# KiCad board for_real_486_rc13.kicad_pcb (continued)
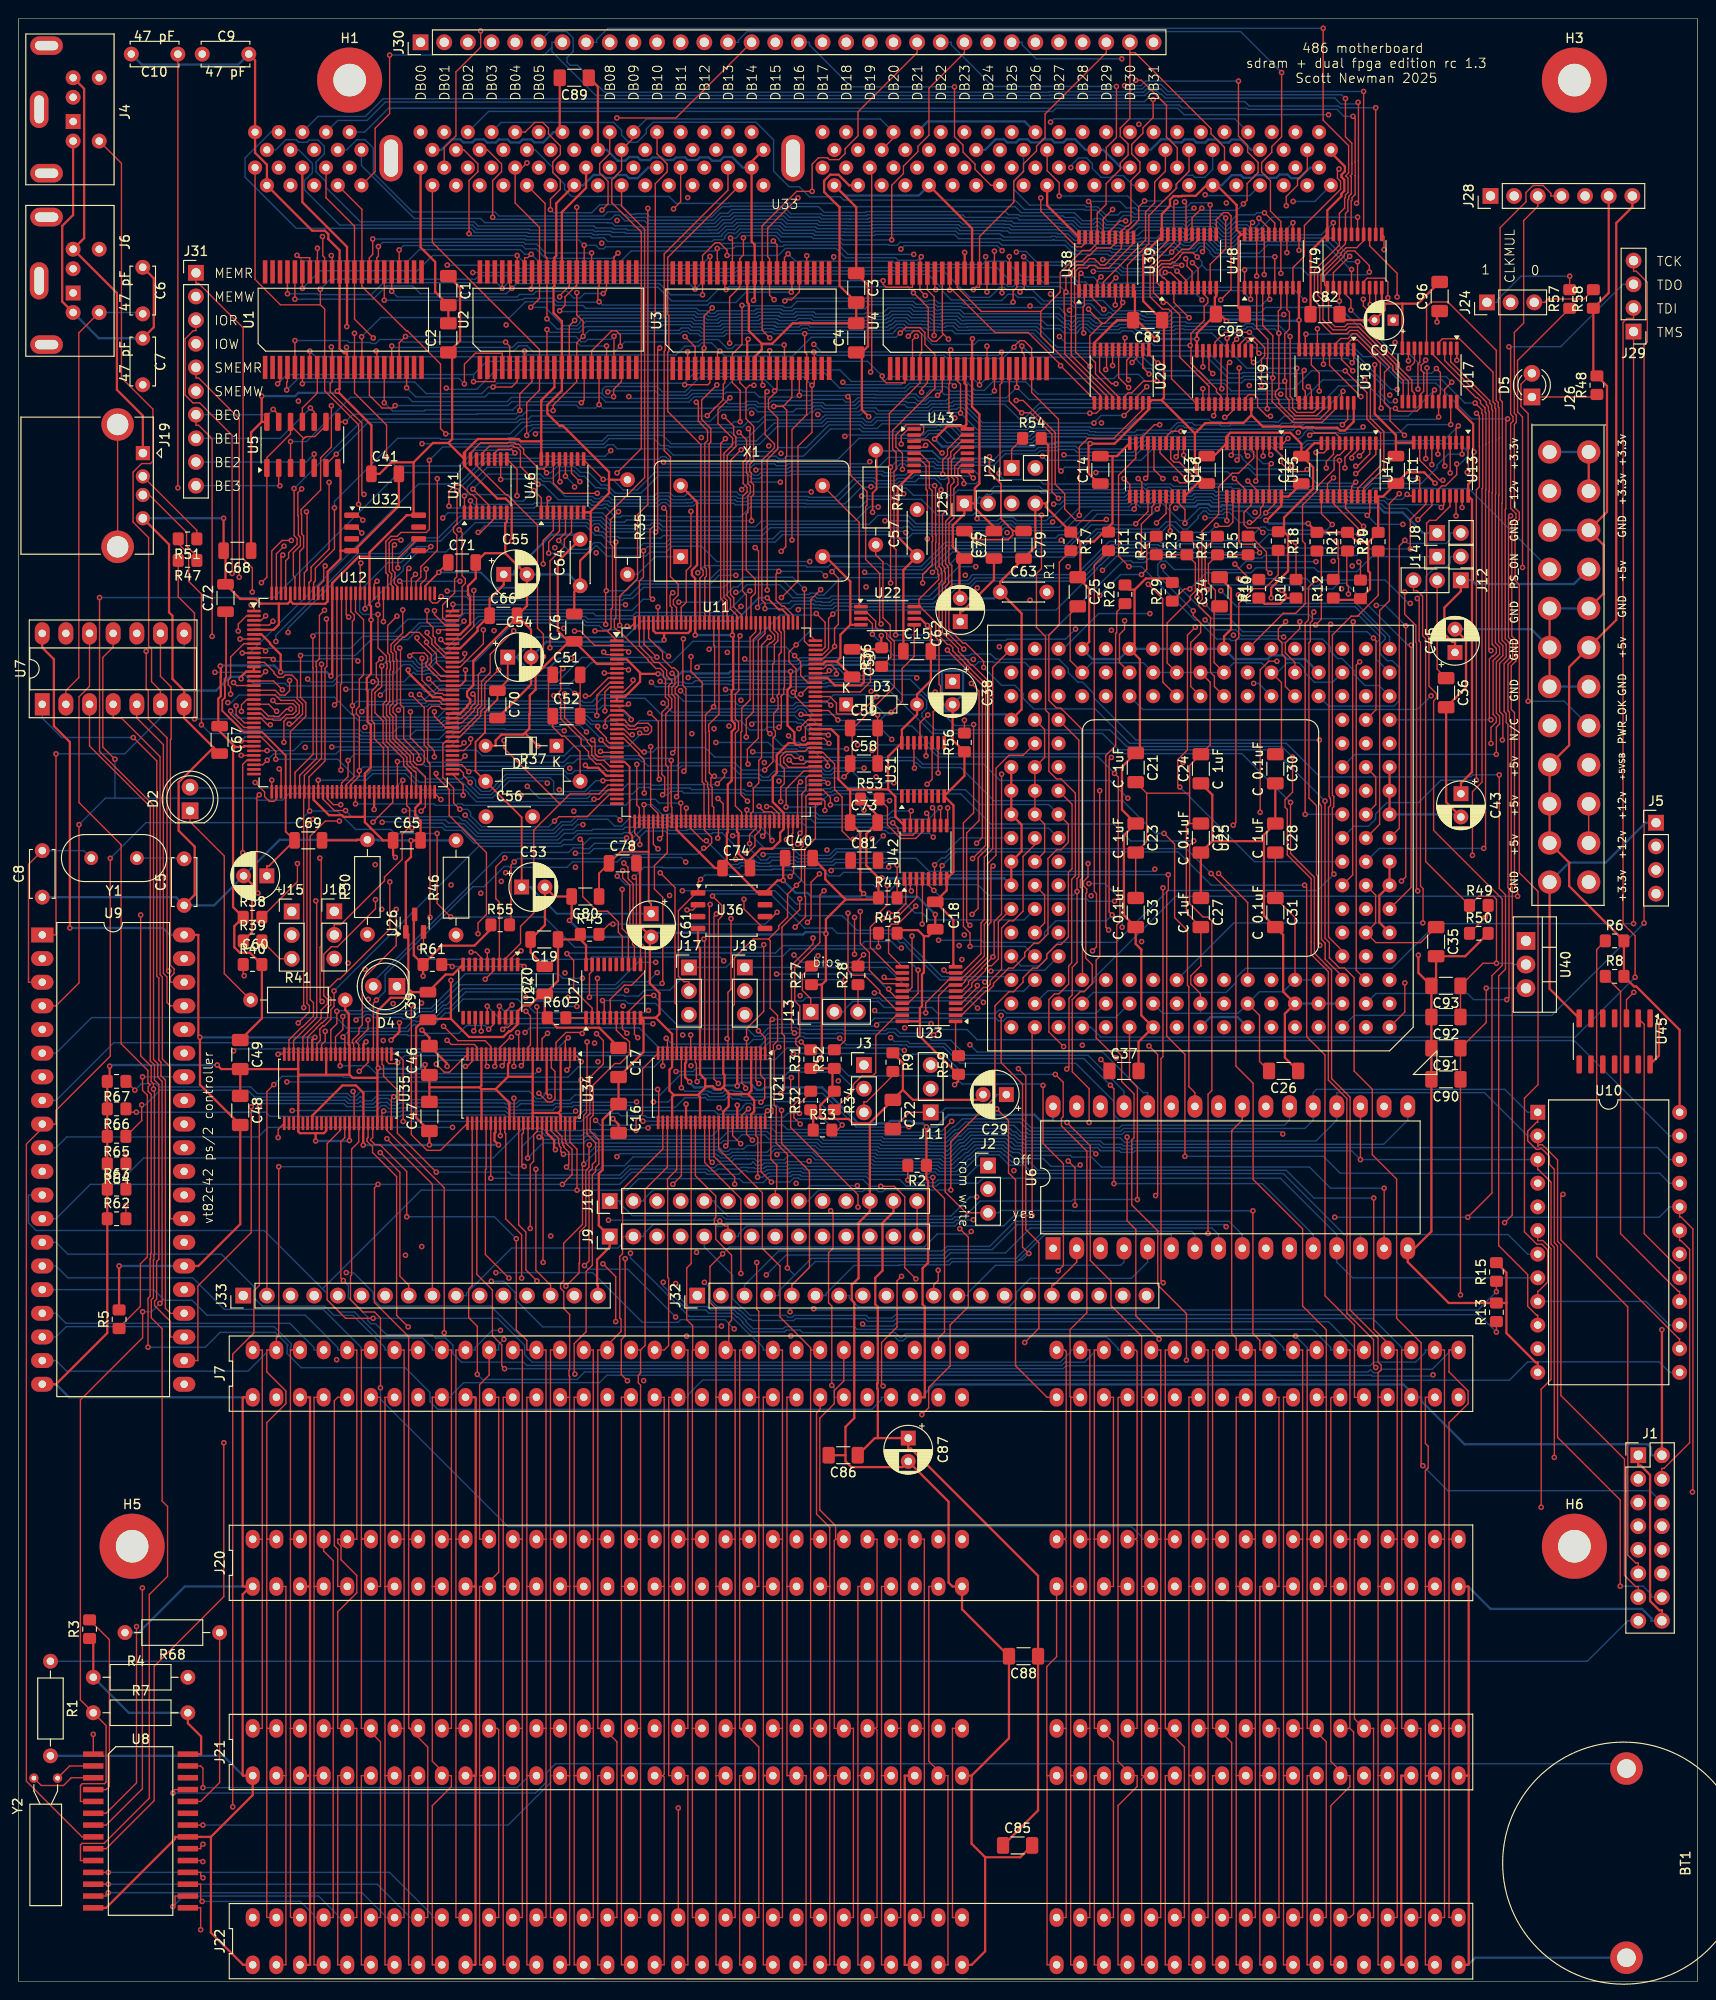
[diagram p0: board, top side]
## Library data of the parts
C1-C28 C30-C37 C39-C41 C46-C52 C56-C59 C63-C83 C85 C86 C88-C93 C95 C96 = -: ki_fp_filters: C_*
C29 C38 C43 C45 C53-C55 C60-C62 C87 C97 = -: ki_fp_filters: CP_*
D1 D3 = -: Sim.Pins: 1=K 2=A; ki_fp_filters: TO-???* *_Diode_* *SingleDiode* D_*
D2 D4 D5 = -: ki_fp_filters: LED* LED_SMD:* LED_THT:*
H1 H3 H5 H6 = -: ki_fp_filters: MountingHole*
J1 = -: ki_fp_filters: Connector*:*_2x??_*
J2 J3 J5 J8-J18 J24 J25 J27 J29 = -: ki_fp_filters: Connector*:*_1x??_*
J4 J6 = -: Datasheet: http://service.powerdynamics.com/ec/Catalog17/Section%2011.pdf; ki_fp_filters: MINI?DIN*
J7 J20-J22 = -: Datasheet: https://en.wikipedia.org/wiki/Industry_Standard_Architecture; Description: 16-bit ISA-AT bus connector
J19 = -: ki_fp_filters: USB*
J26 = -: Datasheet: https://www.intel.com/content/dam/www/public/us/en/documents/guides/power-supply-design-guide-june.pdf#page=33; ki_fp_filters: *Mini?Fit*2x12*Vertical* *Mini?Fit*2x12*Horizontal*
J28 = -: Description: Generic connector, single row, 01x07, script generated (kicad-library-utils/schlib/autogen/connector/); ki_fp_filters: Connector*:*_1x??_*
J30 = -: Description: Generic connector, single row, 01x32, script generated (kicad-library-utils/schlib/autogen/connector/); ki_fp_filters: Connector*:*_1x??_*
J31 = -: Description: Generic connector, single row, 01x10, script generated (kicad-library-utils/schlib/autogen/connector/); ki_fp_filters: Connector*:*_1x??_*
J32 = -: Description: Generic connector, single row, 01x20, script generated (kicad-library-utils/schlib/autogen/connector/); ki_fp_filters: Connector*:*_1x??_*
J33 = -: Description: Generic connector, single row, 01x16, script generated (kicad-library-utils/schlib/autogen/connector/); ki_fp_filters: Connector*:*_1x??_*
R1-R48 R51-R68 = -: ki_fp_filters: R_*
R49 R50 = -: Description: Resistor; ki_fp_filters: R_*
U5 = -: Datasheet: http://www.ti.com/lit/gpn/sn74LS32; Description: Quad 2-input OR; ki_fp_filters: DIP?14*
U7 = -: Datasheet: http://www.ti.com/lit/gpn/sn74LS04; ki_fp_filters: DIP*W7.62mm* SSOP?14* TSSOP?14*
U8 = -: Datasheet: https://www.mouser.com/ProductDetail/Analog-Devices-Maxim-Integrated/DS1501YZN%2b?qs=1eQvB6Dk1vgqqTmHhPWzLA%3D%3D
U9 = -: Datasheet: https://www.digchip.com/datasheets/download_datasheet.php?id=2608363&part-number=P8042AH
U10 = -: Datasheet: http://www.scs.stanford.edu/10wi-cs140/pintos/specs/8254.pdf; ki_fp_filters: DIP*W15.24mm*
U11 U12 = -: Datasheet: http://www.latticesemi.com/Products/FPGAandCPLD/iCE40; Description: iCE40 HX FPGA, 3520 LUTs, 1.2V, TQFP-144; ki_fp_filters: TQFP*20x20mm*P0.5mm*
U13-U20 U23 U24 U27 = -: Datasheet: http://www.ti.com/lit/gpn/sn74LS245; ki_fp_filters: DIP?20*
U21 U34 U35 = -: Datasheet: https://assets.nexperia.com/documents/data-sheet/74ALVC164245.pdf; Description: 16-Bit 2.5V to 3.3V or 3.3V to 5V Level-Shifting Transceiver With 3-State Outputs, TSSOP-48; ki_fp_filters: TSSOP*6.1x12.5mm*P0.5mm*
U26 = -: Datasheet: http://www.ti.com/lit/ds/symlink/lm809.pdf; ki_fp_filters: SOT?23*
U31 U42 = -: Datasheet: http://www.ti.com/lit/gpn/sn74ls595; Description: 8-bit serial in/out Shift Register 3-State Outputs; ki_fp_filters: DIP*W7.62mm* SOIC*3.9x9.9mm*P1.27mm* TSSOP*4.4x5mm*P0.65mm* SOIC*5.3x10.2mm*P1.27mm* SOIC*7.5x10.3mm*P1.27mm*
U38 U39 U48 U49 = -: Datasheet: http://www.ti.com/lit/gpn/sn74LS373; ki_fp_filters: DIP?20* SOIC?20* SO?20* SSOP?20* TSSOP?20*
U40 = -: Datasheet: http://www.ti.com/lit/ds/symlink/lm317.pdf; Description: 1.5A 35V Adjustable Linear Regulator, TO-220; ki_fp_filters: TO?220*
U41 U43 U46 = -: Datasheet: https://www.ti.com/lit/ds/symlink/sn74ls165a.pdf; Description: Shift Register 8-bit, parallel load; ki_fp_filters: DIP?16* SO*16*3.9x9.9mm*P1.27mm* SSOP*16*5.3x6.2mm*P0.65mm* TSSOP*16*4.4x5mm*P0.65*
U45 = -: Datasheet: http://www.ti.com/lit/gpn/sn74LS08; Description: Quad And2; ki_fp_filters: DIP*W7.62mm*
X1 = -: Datasheet: http://www.conwin.com/datasheets/cx/cx030.pdf; ki_fp_filters: Oscillator*DIP*14*
Y1 Y2 = -: ki_fp_filters: Crystal*

## Footprints (pads in the part's own frame, mm; a bottom-side part is the same pattern mirrored in y, then rotated)
24pinATX_newer
  round 2.5 hole 1.5: 1(11.4,-1) 2(7.2,-1) 3(3,-1) 4(-1.2,-1) 5(-5.4,-1) 6(-9.6,-1) 7(-13.8,-1) 8(-18,-1) 9(-22.2,-1) 10(-26.4,-1) 11(-30.6,-1) 12(-34.8,-1) 13(11.4,3.2) 14(7.2,3.2) 15(3,3.2) 16(-1.2,3.2) 17(-5.4,3.2) 18(-9.6,3.2) 19(-13.8,3.2) 20(-18,3.2) 21(-22.2,3.2) 22(-26.4,3.2) 23(-30.6,3.2) 24(-34.8,3.2)
C_1206_3216Metric
  rrect 1.15x1.8 smd: 1(-1.475,0) 2(1.475,0)
C_1206_3216Metric_Pad1.33x1.80mm_HandSolder
  rrect 1.325x1.8 smd: 1(-1.562,0) 2(1.562,0)
C_Disc_D4.3mm_W1.9mm_P5.00mm
  round 1.6 hole 0.8: 1(0,0) 2(5,0)
C_Disc_D5.0mm_W2.5mm_P5.00mm
  round 1.6 hole 0.8: 1(0,0) 2(5,0)
connector_mini6din
  rect 1.6x1.6 hole 0.8: 1(0,0)
  round 1.6 hole 0.8: 2(-2.6,0) 3(2.1,0) 4(-4.7,0) 5(2.1,2.8) 6(-4.7,2.8)
  oval 2x3.5 hole 1x2.5: 7(-8.15,-2.85) 7(5.55,-2.85)
  oval 4x2 hole 3x1: 7(-1.3,-3.65)
CP_Radial_D4.0mm_P2.00mm
  rect 1.2x1.2 hole 0.6: 1(0,0)
  round 1.2 hole 0.6: 2(2,0)
CP_Radial_D5.0mm_P2.50mm
  rect 1.6x1.6 hole 0.8: 1(0,0)
  round 1.6 hole 0.8: 2(2.5,0)
cr2032_holder
  round 3.5 hole 2: 1(-10.16,0) 2(10.16,0)
Crystal_AT310_D3.0mm_L10.0mm_Horizontal
  round 1 hole 0.5: 1(0,0) 2(2.54,0)
Crystal_HC18-U_Vertical
  round 1.5 hole 0.8: 1(0,0) 2(4.9,0)
D_DO-34_SOD68_P7.62mm_Horizontal
  rect 1.5x1.5 hole 0.75: 1(0,0)
  oval 1.5x1.5 hole 0.75: 2(7.62,0)
DIP-14_W7.62mm_Socket_LongPads
  rect 2.4x1.6 hole 0.8: 1(0,0)
  oval 2.4x1.6 hole 0.8: 2(0,-2.54) 3(0,-5.08) 4(0,-7.62) 5(0,-10.16) 6(0,-12.7) 7(0,-15.24) 8(7.62,-15.24) 9(7.62,-12.7) 10(7.62,-10.16) 11(7.62,-7.62) 12(7.62,-5.08) 13(7.62,-2.54) 14(7.62,0)
DIP-24_W15.24mm
  rect 1.6x1.6 hole 0.8: 1(0,0)
  oval 1.6x1.6 hole 0.8: 2(0,-2.54) 3(0,-5.08) 4(0,-7.62) 5(0,-10.16) 6(0,-12.7) 7(0,-15.24) 8(0,-17.78) 9(0,-20.32) 10(0,-22.86) 11(0,-25.4) 12(0,-27.94) 13(15.24,-27.94) 14(15.24,-25.4) 15(15.24,-22.86) 16(15.24,-20.32) 17(15.24,-17.78) 18(15.24,-15.24) 19(15.24,-12.7) 20(15.24,-10.16) 21(15.24,-7.62) 22(15.24,-5.08) 23(15.24,-2.54) 24(15.24,0)
DIP-32_W15.24mm_LongPads
  rect 2.4x1.6 hole 0.8: 1(0,0)
  oval 2.4x1.6 hole 0.8: 2(0,-2.54) 3(0,-5.08) 4(0,-7.62) 5(0,-10.16) 6(0,-12.7) 7(0,-15.24) 8(0,-17.78) 9(0,-20.32) 10(0,-22.86) 11(0,-25.4) 12(0,-27.94) 13(0,-30.48) 14(0,-33.02) 15(0,-35.56) 16(0,-38.1) 17(15.24,-38.1) 18(15.24,-35.56) 19(15.24,-33.02) 20(15.24,-30.48) 21(15.24,-27.94) 22(15.24,-25.4) 23(15.24,-22.86) 24(15.24,-20.32) 25(15.24,-17.78) 26(15.24,-15.24) 27(15.24,-12.7) 28(15.24,-10.16) 29(15.24,-7.62) 30(15.24,-5.08) 31(15.24,-2.54) 32(15.24,0)
DIP-40_W15.24mm_LongPads
  rect 2.4x1.6 hole 0.8: 1(0,0)
  oval 2.4x1.6 hole 0.8: 2(0,-2.54) 3(0,-5.08) 4(0,-7.62) 5(0,-10.16) 6(0,-12.7) 7(0,-15.24) 8(0,-17.78) 9(0,-20.32) 10(0,-22.86) 11(0,-25.4) 12(0,-27.94) 13(0,-30.48) 14(0,-33.02) 15(0,-35.56) 16(0,-38.1) 17(0,-40.64) 18(0,-43.18) 19(0,-45.72) 20(0,-48.26) 21(15.24,-48.26) 22(15.24,-45.72) 23(15.24,-43.18) 24(15.24,-40.64) 25(15.24,-38.1) 26(15.24,-35.56) 27(15.24,-33.02) 28(15.24,-30.48) 29(15.24,-27.94) 30(15.24,-25.4) 31(15.24,-22.86) 32(15.24,-20.32) 33(15.24,-17.78) 34(15.24,-15.24) 35(15.24,-12.7) 36(15.24,-10.16) 37(15.24,-7.62) 38(15.24,-5.08) 39(15.24,-2.54) 40(15.24,0)
DIP-98_ISA
  oval 1.5x2 hole 0.8: 1(-81.28,-2.54) 2(-78.74,-2.54) 3(-76.2,-2.54) 4(-73.66,-2.54) 5(-71.12,-2.54) 6(-68.58,-2.54) 7(-66.04,-2.54) 8(-63.5,-2.54) 9(-60.96,-2.54) 10(-58.42,-2.54) 11(-55.88,-2.54) 12(-53.34,-2.54) 13(-50.8,-2.54) 14(-48.26,-2.54) 15(-45.72,-2.54) 16(-43.18,-2.54) 17(-40.64,-2.54) 18(-38.1,-2.54) 19(-35.56,-2.54) 20(-33.02,-2.54) 21(-30.48,-2.54) 22(-27.94,-2.54) 23(-25.4,-2.54) 24(-22.86,-2.54) 25(-20.32,-2.54) 26(-17.78,-2.54) 27(-15.24,-2.54) 28(-12.7,-2.54) 29(-10.16,-2.54) 30(-7.62,-2.54) 31(-5.08,-2.54) 32(-81.28,2.54) 33(-78.74,2.54) 34(-76.2,2.54) 35(-73.66,2.54) 36(-71.12,2.54) 37(-68.58,2.54) 38(-66.04,2.54) 39(-63.5,2.54) 40(-60.96,2.54) 41(-58.42,2.54) 42(-55.88,2.54) 43(-53.34,2.54) 44(-50.8,2.54) 45(-48.26,2.54) 46(-45.72,2.54) 47(-43.18,2.54) 48(-40.64,2.54) 49(-38.1,2.54) 50(-35.56,2.54) 51(-33.02,2.54) 52(-30.48,2.54) 53(-27.94,2.54) 54(-25.4,2.54) 55(-22.86,2.54) 56(-20.32,2.54) 57(-17.78,2.54) 58(-15.24,2.54) 59(-12.7,2.54) 60(-10.16,2.54) 61(-7.62,2.54) 62(-5.08,2.54) 63(5.08,-2.54) 64(7.62,-2.54) 65(10.16,-2.54) 66(12.7,-2.54) 67(15.24,-2.54) 68(17.78,-2.54) 69(20.32,-2.54) 70(22.86,-2.54) 71(25.4,-2.54) 72(27.94,-2.54) 73(30.48,-2.54) 74(33.02,-2.54) 75(35.56,-2.54) 76(38.1,-2.54) 77(40.64,-2.54) 78(43.18,-2.54) 79(45.72,-2.54) 80(48.26,-2.54) 81(5.08,2.54) 82(7.62,2.54) 83(10.16,2.54) 84(12.7,2.54) 85(15.24,2.54) 86(17.78,2.54) 87(20.32,2.54) 88(22.86,2.54) 89(25.4,2.54) 90(27.94,2.54) 91(30.48,2.54) 92(33.02,2.54) 93(35.56,2.54) 94(38.1,2.54) 95(40.64,2.54) 96(43.18,2.54) 97(45.72,2.54) 98(48.26,2.54)
LED_D3.0mm
  rect 1.8x1.8 hole 0.9: 1(0,0)
  round 1.8 hole 0.9: 2(2.54,0)
LED_D5.0mm
  rect 1.8x1.8 hole 0.9: 1(0,0)
  round 1.8 hole 0.9: 2(2.54,0)
MountingHole_3.5mm_Pad
  round 7 hole 3.5: 1(0,0)
Oscillator_DIP-14
  rect 1.6x1.6 hole 0.8: 1(0,0)
  round 1.6 hole 0.8: 7(15.24,0) 8(15.24,7.62) 14(0,7.62)
PGA168
  round 1.524 hole 0.762: A1(20.32,22.86) A2(20.32,20.32) A3(20.32,17.78) A4(20.32,15.24) A5(20.32,12.7) A6(20.32,10.16) A7(20.32,7.62) A8(20.32,5.08) A9(20.32,2.54) A10(20.32,0) A11(20.32,-2.54) A12(20.32,-5.08) A13(20.32,-7.62) A14(20.32,-10.16) A15(20.32,-12.7) A16(20.32,-15.24) A17(20.32,-17.78) B1(17.78,22.86) B2(17.78,20.32) B3(17.78,17.78) B4(17.78,15.24) B5(17.78,12.7) B6(17.78,10.16) B7(17.78,7.62) B8(17.78,5.08) B9(17.78,2.54) B10(17.78,0) B11(17.78,-2.54) B12(17.78,-5.08) B13(17.78,-7.62) B14(17.78,-10.16) B15(17.78,-12.7) B16(17.78,-15.24) B17(17.78,-17.78) C1(15.24,22.86) C2(15.24,20.32) C3(15.24,17.78) C4(15.24,15.24) C5(15.24,12.7) C6(15.24,10.16) C7(15.24,7.62) C8(15.24,5.08) C9(15.24,2.54) C10(15.24,0) C11(15.24,-2.54) C12(15.24,-5.08) C13(15.24,-7.62) C14(15.24,-10.16) C15(15.24,-12.7) C16(15.24,-15.24) C17(15.24,-17.78) D1(12.7,22.86) D2(12.7,20.32) D3(12.7,17.78) D15(12.7,-12.7) D16(12.7,-15.24) D17(12.7,-17.78) E1(10.16,22.86) E2(10.16,20.32) E3(10.16,17.78) E15(10.16,-12.7) E16(10.16,-15.24) E17(10.16,-17.78) F1(7.62,22.86) F2(7.62,20.32) F3(7.62,17.78) F15(7.62,-12.7) F16(7.62,-15.24) F17(7.62,-17.78) G1(5.08,22.86) G2(5.08,20.32) G3(5.08,17.78) G15(5.08,-12.7) G16(5.08,-15.24) G17(5.08,-17.78) H1(2.54,22.86) H2(2.54,20.32) H3(2.54,17.78) H15(2.54,-12.7) H16(2.54,-15.24) H17(2.54,-17.78) J1(0,22.86) J2(0,20.32) J3(0,17.78) J15(0,-12.7) J16(0,-15.24) J17(0,-17.78) K1(-2.54,22.86) K2(-2.54,20.32) K3(-2.54,17.78) K15(-2.54,-12.7) K16(-2.54,-15.24) K17(-2.54,-17.78) L1(-5.08,22.86) L2(-5.08,20.32) L3(-5.08,17.78) L15(-5.08,-12.7) L16(-5.08,-15.24) L17(-5.08,-17.78) M1(-7.62,22.86) M2(-7.62,20.32) M3(-7.62,17.78) M15(-7.62,-12.7) M16(-7.62,-15.24) M17(-7.62,-17.78) N1(-10.16,22.86) N2(-10.16,20.32) N3(-10.16,17.78) N15(-10.16,-12.7) N16(-10.16,-15.24) N17(-10.16,-17.78) P1(-12.7,22.86) P2(-12.7,20.32) P3(-12.7,17.78) P15(-12.7,-12.7) P16(-12.7,-15.24) P17(-12.7,-17.78) Q1(-15.24,22.86) Q2(-15.24,20.32) Q3(-15.24,17.78) Q4(-15.24,15.24) Q5(-15.24,12.7) Q6(-15.24,10.16) Q7(-15.24,7.62) Q8(-15.24,5.08) Q9(-15.24,2.54) Q10(-15.24,0) Q11(-15.24,-2.54) Q12(-15.24,-5.08) Q13(-15.24,-7.62) Q14(-15.24,-10.16) Q15(-15.24,-12.7) Q16(-15.24,-15.24) Q17(-15.24,-17.78) R1(-17.78,22.86) R2(-17.78,20.32) R3(-17.78,17.78) R4(-17.78,15.24) R5(-17.78,12.7) R6(-17.78,10.16) R7(-17.78,7.62) R8(-17.78,5.08) R9(-17.78,2.54) R10(-17.78,0) R11(-17.78,-2.54) R12(-17.78,-5.08) R13(-17.78,-7.62) R14(-17.78,-10.16) R15(-17.78,-12.7) R16(-17.78,-15.24) R17(-17.78,-17.78) S1(-20.32,22.86) S2(-20.32,20.32) S3(-20.32,17.78) S4(-20.32,15.24) S5(-20.32,12.7) S6(-20.32,10.16) S7(-20.32,7.62) S8(-20.32,5.08) S9(-20.32,2.54) S10(-20.32,0) S11(-20.32,-2.54) S12(-20.32,-5.08) S13(-20.32,-7.62) S14(-20.32,-10.16) S15(-20.32,-12.7) S16(-20.32,-15.24) S17(-20.32,-17.78)
PinHeader_1x02_P2.54mm_Vertical
  rect 1.7x1.7 hole 1: 1(0,0)
  oval 1.7x1.7 hole 1: 2(0,-2.54)
PinHeader_1x03_P2.54mm_Vertical
  rect 1.7x1.7 hole 1: 1(0,0)
  oval 1.7x1.7 hole 1: 2(0,-2.54) 3(0,-5.08)
PinHeader_1x04_P2.54mm_Vertical
  rect 1.7x1.7 hole 1: 1(0,0)
  oval 1.7x1.7 hole 1: 2(0,-2.54) 3(0,-5.08) 4(0,-7.62)
PinHeader_1x07_P2.54mm_Vertical
  rect 1.7x1.7 hole 1: 1(0,0)
  oval 1.7x1.7 hole 1: 2(0,-2.54) 3(0,-5.08) 4(0,-7.62) 5(0,-10.16) 6(0,-12.7) 7(0,-15.24)
PinHeader_1x10_P2.54mm_Vertical
  rect 1.7x1.7 hole 1: 1(0,0)
  oval 1.7x1.7 hole 1: 2(0,-2.54) 3(0,-5.08) 4(0,-7.62) 5(0,-10.16) 6(0,-12.7) 7(0,-15.24) 8(0,-17.78) 9(0,-20.32) 10(0,-22.86)
PinHeader_1x14_P2.54mm_Vertical
  rect 1.7x1.7 hole 1: 1(0,0)
  oval 1.7x1.7 hole 1: 2(0,-2.54) 3(0,-5.08) 4(0,-7.62) 5(0,-10.16) 6(0,-12.7) 7(0,-15.24) 8(0,-17.78) 9(0,-20.32) 10(0,-22.86) 11(0,-25.4) 12(0,-27.94) 13(0,-30.48) 14(0,-33.02)
PinHeader_1x16_P2.54mm_Vertical
  rect 1.7x1.7 hole 1: 1(0,0)
  oval 1.7x1.7 hole 1: 2(0,-2.54) 3(0,-5.08) 4(0,-7.62) 5(0,-10.16) 6(0,-12.7) 7(0,-15.24) 8(0,-17.78) 9(0,-20.32) 10(0,-22.86) 11(0,-25.4) 12(0,-27.94) 13(0,-30.48) 14(0,-33.02) 15(0,-35.56) 16(0,-38.1)
PinHeader_1x20_P2.54mm_Vertical
  rect 1.7x1.7 hole 1: 1(0,0)
  oval 1.7x1.7 hole 1: 2(0,-2.54) 3(0,-5.08) 4(0,-7.62) 5(0,-10.16) 6(0,-12.7) 7(0,-15.24) 8(0,-17.78) 9(0,-20.32) 10(0,-22.86) 11(0,-25.4) 12(0,-27.94) 13(0,-30.48) 14(0,-33.02) 15(0,-35.56) 16(0,-38.1) 17(0,-40.64) 18(0,-43.18) 19(0,-45.72) 20(0,-48.26)
PinHeader_1x32_P2.54mm_Vertical
  rect 1.7x1.7 hole 1: 1(0,0)
  oval 1.7x1.7 hole 1: 2(0,-2.54) 3(0,-5.08) 4(0,-7.62) 5(0,-10.16) 6(0,-12.7) 7(0,-15.24) 8(0,-17.78) 9(0,-20.32) 10(0,-22.86) 11(0,-25.4) 12(0,-27.94) 13(0,-30.48) 14(0,-33.02) 15(0,-35.56) 16(0,-38.1) 17(0,-40.64) 18(0,-43.18) 19(0,-45.72) 20(0,-48.26) 21(0,-50.8) 22(0,-53.34) 23(0,-55.88) 24(0,-58.42) 25(0,-60.96) 26(0,-63.5) 27(0,-66.04) 28(0,-68.58) 29(0,-71.12) 30(0,-73.66) 31(0,-76.2) 32(0,-78.74)
PinHeader_2x08_P2.54mm_Vertical
  rect 1.7x1.7 hole 1: 1(0,0)
  oval 1.7x1.7 hole 1: 2(2.54,0) 3(0,-2.54) 4(2.54,-2.54) 5(0,-5.08) 6(2.54,-5.08) 7(0,-7.62) 8(2.54,-7.62) 9(0,-10.16) 10(2.54,-10.16) 11(0,-12.7) 12(2.54,-12.7) 13(0,-15.24) 14(2.54,-15.24) 15(0,-17.78) 16(2.54,-17.78)
R_0805_2012Metric_Pad1.20x1.40mm_HandSolder
  rrect 1.2x1.4 smd: 1(-1,0) 2(1,0)
R_Axial_DIN0207_L6.3mm_D2.5mm_P10.16mm_Horizontal
  round 1.6 hole 0.8: 1(0,0)
  oval 1.6x1.6 hole 0.8: 2(10.16,0)
SDRAM_socket
  oval 2.5x5 hole 1.5x4 unplated: (-0.381,6.985) (42.799,6.985)
  round 1.524 hole 0.762: 1(-13.716,4.064) 2(-14.986,5.969) 3(-11.176,4.064) 4(-12.446,5.969) 5(-8.636,4.064) 6(-9.906,5.969) 7(-6.096,4.064) 8(-7.366,5.969) 9(-3.556,4.064) 10(-4.826,5.969) 11(4.064,4.064) 12(2.794,5.969) 13(6.604,4.064) 14(5.334,5.969) 15(9.144,4.064) 16(7.874,5.969) 17(11.684,4.064) 18(10.414,5.969) 19(14.224,4.064) 20(12.954,5.969) 21(16.764,4.064) 22(15.494,5.969) 23(19.304,4.064) 24(18.034,5.969) 25(21.844,4.064) 26(20.574,5.969) 27(24.384,4.064) 28(23.114,5.969) 29(26.924,4.064) 30(25.654,5.969) 31(29.464,4.064) 32(28.194,5.969) 33(32.004,4.064) 34(30.734,5.969) 35(34.544,4.064) 36(33.274,5.969) 37(37.084,4.064) 38(35.814,5.969) 39(39.624,4.064) 40(38.354,5.969) 41(47.244,4.064) 42(45.974,5.969) 43(49.784,4.064) 44(48.514,5.969) 45(52.324,4.064) 46(51.054,5.969) 47(54.864,4.064) 48(53.594,5.969) 49(57.404,4.064) 50(56.134,5.969) 51(59.944,4.064) 52(58.674,5.969) 53(62.484,4.064) 54(61.214,5.969) 55(65.024,4.064) 56(63.754,5.969) 57(67.564,4.064) 58(66.294,5.969) 59(70.104,4.064) 60(68.834,5.969) 61(72.644,4.064) 62(71.374,5.969) 63(75.184,4.064) 64(73.914,5.969) 65(77.724,4.064) 66(76.454,5.969) 67(80.264,4.064) 68(78.994,5.969) 69(82.804,4.064) 70(81.534,5.969) 71(85.344,4.064) 72(84.074,5.969) 73(87.884,4.064) 74(86.614,5.969) 75(90.424,4.064) 76(89.154,5.969) 77(92.964,4.064) 78(91.694,5.969) 79(95.504,4.064) 80(94.234,5.969) 81(98.044,4.064) 82(96.774,5.969) 83(100.584,4.064) 84(99.314,5.969) 85(-14.986,9.779) 86(-13.716,7.874) 87(-12.446,9.779) 88(-11.176,7.874) 89(-9.906,9.779) 90(-8.636,7.874) 91(-7.366,9.779) 92(-6.096,7.874) 93(-4.826,9.779) 94(-3.556,7.874) 95(2.794,9.779) 96(4.064,7.874) 97(5.334,9.779) 98(6.604,7.874) 99(7.874,9.779) 100(9.144,7.874) 101(10.414,9.779) 102(11.684,7.874) 103(12.954,9.779) 104(14.224,7.874) 105(15.494,9.779) 106(16.764,7.874) 107(18.034,9.779) 108(19.304,7.874) 109(20.574,9.779) 110(21.844,7.874) 111(23.114,9.779) 112(24.384,7.874) 113(25.654,9.779) 114(26.924,7.874) 115(28.194,9.779) 116(29.464,7.874) 117(30.734,9.779) 118(32.004,7.874) 119(33.274,9.779) 120(34.544,7.874) 121(35.814,9.779) 122(37.084,7.874) 123(38.354,9.779) 124(39.624,7.874) 125(45.974,9.779) 126(47.244,7.874) 127(48.514,9.779) 128(49.784,7.874) 129(51.054,9.779) 130(52.324,7.874) 131(53.594,9.779) 132(54.864,7.874) 133(56.134,9.779) 134(57.404,7.874) 135(58.674,9.779) 136(59.944,7.874) 137(61.214,9.779) 138(62.484,7.874) 139(63.754,9.779) 140(65.024,7.874) 141(66.294,9.779) 142(67.564,7.874) 143(68.834,9.779) 144(70.104,7.874) 145(71.374,9.779) 146(72.644,7.874) 147(73.914,9.779) 148(75.184,7.874) 149(76.454,9.779) 150(77.724,7.874) 151(78.994,9.779) 152(80.264,7.874) 153(81.534,9.779) 154(82.804,7.874) 155(84.074,9.779) 156(85.344,7.874) 157(86.614,9.779) 158(87.884,7.874) 159(89.154,9.779) 160(90.424,7.874) 161(91.694,9.779) 162(92.964,7.874) 163(94.234,9.779) 164(95.504,7.874) 165(96.774,9.779) 166(98.044,7.874) 167(99.314,9.779) 168(100.584,7.874)
SO-14_3.9x8.65mm_P1.27mm
  rrect 1.95x0.6 smd: 1(-2.475,3.81) 2(-2.475,2.54) 3(-2.475,1.27) 4(-2.475,0) 5(-2.475,-1.27) 6(-2.475,-2.54) 7(-2.475,-3.81) 8(2.475,-3.81) 9(2.475,-2.54) 10(2.475,-1.27) 11(2.475,0) 12(2.475,1.27) 13(2.475,2.54) 14(2.475,3.81)
SOIC-8_5.275x5.275mm_P1.27mm
  rrect 1.6x0.6 smd: 1(-3.6,1.905) 2(-3.6,0.635) 3(-3.6,-0.635) 4(-3.6,-1.905) 5(3.6,-1.905) 6(3.6,-0.635) 7(3.6,0.635) 8(3.6,1.905)
SOIC-BQ4845
  rect 0.6x2.2 smd: 1(-8.255,-5.08) 2(-6.985,-5.08) 3(-5.715,-5.08) 4(-4.445,-5.08) 5(-3.175,-5.08) 6(-1.905,-5.08) 7(-0.635,-5.08) 8(0.635,-5.08) 9(1.905,-5.08) 10(3.175,-5.08) 11(4.445,-5.08) 12(5.715,-5.08) 13(6.985,-5.08) 14(8.255,-5.08) 15(8.255,5.08) 16(6.985,5.08) 17(5.715,5.08) 18(4.445,5.08) 19(3.175,5.08) 20(1.905,5.08) 21(0.635,5.08) 22(-0.635,5.08) 23(-1.905,5.08) 24(-3.175,5.08) 25(-4.445,5.08) 26(-5.715,5.08) 27(-6.985,5.08) 28(-8.255,5.08)
SOT-23
  rrect 1.475x0.6 smd: 1(-0.938,0.95) 2(-0.938,-0.95) 3(0.938,0)
TO-220-3_Vertical
  rect 1.905x2 hole 1.1: 1(0,0)
  oval 1.905x2 hole 1.1: 2(2.54,0) 3(5.08,0)
TQFP-144_20x20mm_P0.5mm
  rrect 1.475x0.3 smd: 1(-10.662,8.75) 2(-10.662,8.25) 3(-10.662,7.75) 4(-10.662,7.25) 5(-10.662,6.75) 6(-10.662,6.25) 7(-10.662,5.75) 8(-10.662,5.25) 9(-10.662,4.75) 10(-10.662,4.25) 11(-10.662,3.75) 12(-10.662,3.25) 13(-10.662,2.75) 14(-10.662,2.25) 15(-10.662,1.75) 16(-10.662,1.25) 17(-10.662,0.75) 18(-10.662,0.25) 19(-10.662,-0.25) 20(-10.662,-0.75) 21(-10.662,-1.25) 22(-10.662,-1.75) 23(-10.662,-2.25) 24(-10.662,-2.75) 25(-10.662,-3.25) 26(-10.662,-3.75) 27(-10.662,-4.25) 28(-10.662,-4.75) 29(-10.662,-5.25) 30(-10.662,-5.75) 31(-10.662,-6.25) 32(-10.662,-6.75) 33(-10.662,-7.25) 34(-10.662,-7.75) 35(-10.662,-8.25) 36(-10.662,-8.75) 73(10.662,-8.75) 74(10.662,-8.25) 75(10.662,-7.75) 76(10.662,-7.25) 77(10.662,-6.75) 78(10.662,-6.25) 79(10.662,-5.75) 80(10.662,-5.25) 81(10.662,-4.75) 82(10.662,-4.25) 83(10.662,-3.75) 84(10.662,-3.25) 85(10.662,-2.75) 86(10.662,-2.25) 87(10.662,-1.75) 88(10.662,-1.25) 89(10.662,-0.75) 90(10.662,-0.25) 91(10.662,0.25) 92(10.662,0.75) 93(10.662,1.25) 94(10.662,1.75) 95(10.662,2.25) 96(10.662,2.75) 97(10.662,3.25) 98(10.662,3.75) 99(10.662,4.25) 100(10.662,4.75) 101(10.662,5.25) 102(10.662,5.75) 103(10.662,6.25) 104(10.662,6.75) 105(10.662,7.25) 106(10.662,7.75) 107(10.662,8.25) 108(10.662,8.75)
  rrect 0.3x1.475 smd: 37(-8.75,-10.662) 38(-8.25,-10.662) 39(-7.75,-10.662) 40(-7.25,-10.662) 41(-6.75,-10.662) 42(-6.25,-10.662) 43(-5.75,-10.662) 44(-5.25,-10.662) 45(-4.75,-10.662) 46(-4.25,-10.662) 47(-3.75,-10.662) 48(-3.25,-10.662) 49(-2.75,-10.662) 50(-2.25,-10.662) 51(-1.75,-10.662) 52(-1.25,-10.662) 53(-0.75,-10.662) 54(-0.25,-10.662) 55(0.25,-10.662) 56(0.75,-10.662) 57(1.25,-10.662) 58(1.75,-10.662) 59(2.25,-10.662) 60(2.75,-10.662) 61(3.25,-10.662) 62(3.75,-10.662) 63(4.25,-10.662) 64(4.75,-10.662) 65(5.25,-10.662) 66(5.75,-10.662) 67(6.25,-10.662) 68(6.75,-10.662) 69(7.25,-10.662) 70(7.75,-10.662) 71(8.25,-10.662) 72(8.75,-10.662) 109(8.75,10.662) 110(8.25,10.662) 111(7.75,10.662) 112(7.25,10.662) 113(6.75,10.662) 114(6.25,10.662) 115(5.75,10.662) 116(5.25,10.662) 117(4.75,10.662) 118(4.25,10.662) 119(3.75,10.662) 120(3.25,10.662) 121(2.75,10.662) 122(2.25,10.662) 123(1.75,10.662) 124(1.25,10.662) 125(0.75,10.662) 126(0.25,10.662) 127(-0.25,10.662) 128(-0.75,10.662) 129(-1.25,10.662) 130(-1.75,10.662) 131(-2.25,10.662) 132(-2.75,10.662) 133(-3.25,10.662) 134(-3.75,10.662) 135(-4.25,10.662) 136(-4.75,10.662) 137(-5.25,10.662) 138(-5.75,10.662) 139(-6.25,10.662) 140(-6.75,10.662) 141(-7.25,10.662) 142(-7.75,10.662) 143(-8.25,10.662) 144(-8.75,10.662)
TSOP-44
  rect 0.5x2.5 smd: 1(-8.4,-5.13) 2(-7.6,-5.13) 3(-6.8,-5.13) 4(-6,-5.13) 5(-5.2,-5.13) 6(-4.4,-5.13) 7(-3.6,-5.13) 8(-2.8,-5.13) 9(-2,-5.13) 10(-1.2,-5.13) 11(-0.4,-5.13) 12(0.4,-5.13) 13(1.2,-5.13) 14(2,-5.13) 15(2.8,-5.13) 16(3.6,-5.13) 17(4.4,-5.13) 18(5.2,-5.13) 19(6,-5.13) 20(6.8,-5.13) 21(7.6,-5.13) 22(8.4,-5.13) 23(8.4,5.13) 24(7.6,5.13) 25(6.8,5.13) 26(6,5.13) 27(5.2,5.13) 28(4.4,5.13) 29(3.6,5.13) 30(2.8,5.13) 31(2,5.13) 32(1.2,5.13) 33(0.4,5.13) 34(-0.4,5.13) 35(-1.2,5.13) 36(-2,5.13) 37(-2.8,5.13) 38(-3.6,5.13) 39(-4.4,5.13) 40(-5.2,5.13) 41(-6,5.13) 42(-6.8,5.13) 43(-7.6,5.13) 44(-8.4,5.13)
TSSOP-8_4.4x3mm_P0.65mm
  rrect 1.475x0.4 smd: 1(-2.862,0.975) 2(-2.862,0.325) 3(-2.862,-0.325) 4(-2.862,-0.975) 5(2.862,-0.975) 6(2.862,-0.325) 7(2.862,0.325) 8(2.862,0.975)
TSSOP-16_4.4x5mm_P0.65mm
  rrect 1.475x0.4 smd: 1(-2.862,2.275) 2(-2.862,1.625) 3(-2.862,0.975) 4(-2.862,0.325) 5(-2.862,-0.325) 6(-2.862,-0.975) 7(-2.862,-1.625) 8(-2.862,-2.275) 9(2.862,-2.275) 10(2.862,-1.625) 11(2.862,-0.975) 12(2.862,-0.325) 13(2.862,0.325) 14(2.862,0.975) 15(2.862,1.625) 16(2.862,2.275)
TSSOP-20_4.4x6.5mm_P0.65mm
  rrect 1.475x0.4 smd: 1(-2.862,2.925) 2(-2.862,2.275) 3(-2.862,1.625) 4(-2.862,0.975) 5(-2.862,0.325) 6(-2.862,-0.325) 7(-2.862,-0.975) 8(-2.862,-1.625) 9(-2.862,-2.275) 10(-2.862,-2.925) 11(2.862,-2.925) 12(2.862,-2.275) 13(2.862,-1.625) 14(2.862,-0.975) 15(2.862,-0.325) 16(2.862,0.325) 17(2.862,0.975) 18(2.862,1.625) 19(2.862,2.275) 20(2.862,2.925)
TSSOP-48_6.1x12.5mm_P0.5mm
  rrect 1.475x0.3 smd: 1(-3.712,5.75) 2(-3.712,5.25) 3(-3.712,4.75) 4(-3.712,4.25) 5(-3.712,3.75) 6(-3.712,3.25) 7(-3.712,2.75) 8(-3.712,2.25) 9(-3.712,1.75) 10(-3.712,1.25) 11(-3.712,0.75) 12(-3.712,0.25) 13(-3.712,-0.25) 14(-3.712,-0.75) 15(-3.712,-1.25) 16(-3.712,-1.75) 17(-3.712,-2.25) 18(-3.712,-2.75) 19(-3.712,-3.25) 20(-3.712,-3.75) 21(-3.712,-4.25) 22(-3.712,-4.75) 23(-3.712,-5.25) 24(-3.712,-5.75) 25(3.712,-5.75) 26(3.712,-5.25) 27(3.712,-4.75) 28(3.712,-4.25) 29(3.712,-3.75) 30(3.712,-3.25) 31(3.712,-2.75) 32(3.712,-2.25) 33(3.712,-1.75) 34(3.712,-1.25) 35(3.712,-0.75) 36(3.712,-0.25) 37(3.712,0.25) 38(3.712,0.75) 39(3.712,1.25) 40(3.712,1.75) 41(3.712,2.25) 42(3.712,2.75) 43(3.712,3.25) 44(3.712,3.75) 45(3.712,4.25) 46(3.712,4.75) 47(3.712,5.25) 48(3.712,5.75)
USB_A_CONNFLY_DS1095-WNR0
  rect 1.524x1.524 hole 0.92: 1(0,0)
  round 1.524 hole 0.92: 2(2.5,0) 3(4.5,0) 4(7,0)
  round 3.5 hole 2.3: 5(-3.07,-2.71) 5(10.07,-2.71)

## Nets
+1V2: C53.1 C54.1 C60.1 C61.1 C69.1 C70.1 C71.1 C72.1 C77.1 C78.1 C79.1 C80.1 R37.1 R42.1 U11.27 U11.40 U11.92 U11.111 U12.27 U12.40 U12.92 U12.111
+3.3V: C1.1 C2.1 C3.1 C4.1 C11.2 C12.1 C13.1 C14.1 C15.2 C17.1 C18.2 C19.1 C20.1 C39.1 C40.1 C41.1 C43.1 C47.1 C49.1 C50.1 C55.1 C57.2 C62.1 C64.2 C65.1 C66.1 C67.1 C68.1 C73.1 C74.1 C75.1 C76.1 C82.1 C83.1 C85.1 C86.1 C87.1 C88.1 C89.1 C95.1 C96.1 C97.1 D1.2 D3.2 J10.13 J26.1 J26.2 J26.12 J26.13 R10.1 R12.1 R14.1 R16.1 R19.2 R20.1 R21.1 R36.2 R38.1 R40.2 R43.1 R45.2 R55.1 R59.1 R60.1 R61.1 U1.11 U1.33 U2.11 U2.33 U3.11 U3.33 U4.11 U4.33 U5.14 U11.6 U11.30 U11.46 U11.57 U11.89 U11.100 U11.123 U11.131 U12.6 U12.30 U12.46 U12.57 U12.89 U12.100 U12.123 U12.131 U13.20 U14.20 U15.20 U16.20 U17.20 U18.20 U19.20 U20.20 U21.31 U21.42 U22.6 U23.20 U24.20 U26.3 U27.20 U31.16 U32.8 U33.6 U33.18 U33.26 U33.40 U33.41 U33.49 U33.59 U33.73 U33.84 U33.90 U33.102 U33.110 U33.124 U33.133 U33.143 U33.157 U33.168 U34.31 U34.42 U35.31 U35.42 U36.8 U38.20 U39.20 U41.16 U42.16 U43.16 U45.14 U46.16 U48.20 U49.20 X1.14
+5V: C16.2 C45.1 C46.2 C48.2 J1.2 J1.3 J4.4 J6.4 J7.3 J7.29 J7.78 J8.1 J12.1 J19.1 J20.3 J20.29 J20.78 J21.3 J21.29 J21.78 J22.3 J22.29 J22.78 J26.4 J26.6 J26.21 J26.22 J26.23 J27.2 J28.7 R2.1 R3.1 R4.1 R5.2 R6.2 R7.2 R8.2 U6.32 U7.14 U8.28 U9.26 U9.40 U10.24 U21.7 U21.18 U34.7 U34.18 U35.7 U35.18
+12V: C90.1 C91.1 J7.9 J20.9 J21.9 J22.9 J26.10 J26.11 U40.3
-12V: J26.14
GND: BT1.2 C1.2 C2.2 C3.2 C4.2 C5.1 C6.1 C7.1 C8.1 C9.1 C10.1 C11.1 C12.2 C13.2 C14.2 C15.1 C16.1 C17.2 C18.1 C19.2 C20.2 C21.1 C22.1 C23.1 C24.1 C25.1 C26.1 C27.1 C28.1 C29.2 C30.2 C31.2 C32.2 C33.2 C34.2 C35.2 C36.2 C37.2 C38.2 C39.2 C40.2 C41.2 C43.2 C45.2 C46.1 C47.2 C48.1 C49.2 C50.2 C53.2 C54.2 C55.2 C56.1 C57.1 C60.2 C61.2 C62.2 C63.1 C64.1 C65.2 C66.2 C67.2 C68.2 C69.2 C70.2 C71.2 C72.2 C73.2 C74.2 C75.2 C76.2 C77.2 C78.2 C79.2 C80.2 C82.2 C83.2 C85.2 C86.2 C87.2 C88.2 C89.2 C90.2 C91.2 C92.2 C93.2 C95.2 C96.2 C97.2 J1.1 J1.16 J4.3 J5.1 J6.3 J7.1 J7.10 J7.31 J7.80 J9.1 J10.12 J19.4 J20.1 J20.10 J20.31 J20.80 J21.1 J21.10 J21.31 J21.80 J22.1 J22.10 J22.31 J22.80 J25.1 J25.4 J26.3 J26.5 J26.7 J26.15 J26.17 J26.18 J26.19 J26.24 J28.6 J33.16 R1.2 R9.1 R11.1 R13.2 R15.2 R17.1 R18.1 R26.2 R27.1 R29.2 R30.2 R31.1 R32.1 R33.1 R34.1 R35.1 R39.1 R41.2 R44.1 R46.2 R48.2 R50.2 R52.1 R53.1 R54.2 R56.1 R58.1 R62.1 R63.1 R64.2 R65.2 R66.2 R67.2 R68.2 U1.12 U1.34 U2.12 U2.34 U3.12 U3.34 U4.12 U4.34 U5.7 U6.16 U7.7 U8.14 U8.21 U9.20 U10.12 U11.5 U11.13 U11.14 U11.59 U11.69 U11.86 U11.103 U11.132 U11.140 U12.5 U12.13 U12.14 U12.59 U12.69 U12.86 U12.103 U12.132 U12.140 U13.10 U14.10 U15.10 U16.10 U17.10 U18.10 U19.10 U20.10 U21.4 U21.10 U21.15 U21.21 U21.28 U21.34 U21.39 U21.45 U22.4 U23.10 U24.10 U25.A7 U25.A9 U25.A11 U25.B3 U25.B4 U25.B5 U25.E1 U25.E17 U25.G1 U25.G17 U25.H1 U25.H17 U25.K1 U25.K17 U25.L1 U25.L17 U25.M1 U25.M17 U25.P17 U25.Q2 U25.R4 U25.S6 U25.S8 U25.S9 U25.S10 U25.S11 U25.S12 U25.S14 U26.1 U27.10 U31.8 U32.4 U33.1 U33.12 U33.23 U33.32 U33.43 U33.54 U33.64 U33.68 U33.78 U33.85 U33.96 U33.107 U33.116 U33.127 U33.138 U33.148 U33.152 U33.162 U34.4 U34.10 U34.15 U34.21 U34.28 U34.34 U34.39 U34.45 U35.4 U35.10 U35.15 U35.21 U35.28 U35.34 U35.39 U35.45 U36.4 U38.10 U39.10 U41.8 U42.8 U43.8 U45.7 U46.8 U48.10 U49.10 X1.7
A00: U11.41 U13.2
A01: U11.42 U13.3
A02: U13.4 U25.Q14
A03: U13.5 U25.R15
A04: U13.6 U25.S16
A05: U13.7 U25.Q12
A06: U13.8 U25.S15
A07: U13.9 U25.Q13
A08: U14.2 U25.R13
A09: U14.3 U25.Q11
A10: U14.4 U25.S13
A11: U14.5 U25.R12
A12: U14.6 U25.S7
A13: U14.7 U25.Q10
A14: U14.8 U25.S5
A15: U14.9 U25.R7
A16: U15.2 U25.Q9
A17: U15.3 U25.Q3
A18: U15.4 U25.R5
A19: U15.5 U25.Q4
A20: U15.6 U25.Q8
A20M: J3.1 U25.D15
A21: U15.7 U25.Q5
A22: U15.8 U25.Q7
A23: U15.9 U25.S3
A24: U16.2 U25.Q6
A25: U16.3 U25.R2
A26: U16.4 U25.S2
A27: U16.5 U25.S1
A28: U16.6 U25.R1
A29: U16.7 U25.P2
A30: U16.8 U25.P3
A31: U16.9 U25.Q1
AB00: J1.4 U6.12 U8.10 U10.19 U12.49 U13.18 U21.2
AB01: J1.5 J32.1 U1.3 U2.3 U3.3 U4.3 U6.11 U8.9 U10.20 U12.44 U13.17 U21.3
AB02: J32.2 U1.4 U2.4 U3.4 U4.4 U6.10 U8.8 U9.9 U11.73 U12.45 U13.16 U21.5
AB03: J32.3 U1.5 U2.5 U3.5 U4.5 U6.9 U8.7 U11.74 U13.15 U21.6
AB04: J32.4 U1.6 U2.6 U3.6 U4.6 U6.8 U8.6 U11.75 U13.14 U21.8
AB05: J32.5 U1.7 U2.7 U3.7 U4.7 U6.7 U11.76 U13.13 U21.9
AB06: J32.6 U1.16 U2.16 U3.16 U4.16 U6.6 U11.78 U13.12 U21.11
AB07: J32.7 U1.17 U2.17 U3.17 U4.17 U6.5 U11.79 U13.11 U21.12
AB08: J32.8 U1.18 U2.18 U3.18 U4.18 U6.27 U11.80 U14.18 U21.13
AB09: J32.9 U1.19 U2.19 U3.19 U4.19 U6.26 U11.81 U14.17 U21.14
AB10: J32.10 U1.20 U2.20 U3.20 U4.20 U6.23 U11.82 U14.16 U21.16
AB11: J32.11 U1.26 U2.26 U3.26 U4.26 U6.25 U11.83 U14.15 U21.17
AB12: J32.12 U1.27 U2.27 U3.27 U4.27 U6.4 U11.84 U14.14 U21.19
AB13: J32.13 U1.28 U2.28 U3.28 U4.28 U6.28 U11.85 U14.13 U21.20
AB14: J32.14 U1.29 U2.29 U3.29 U4.29 U6.29 U11.87 U14.12 U21.22
AB15: J32.15 U1.30 U2.30 U3.30 U4.30 U6.3 U11.88 U14.11 U21.23
AB16: J32.16 U1.38 U2.38 U3.38 U4.38 U6.2 U11.90 U15.18 U35.2
AB17: J32.17 U1.39 U2.39 U3.39 U4.39 U11.91 U15.17 U35.3
AB18: J32.18 U1.40 U2.40 U3.40 U4.40 U11.94 U15.16 U35.5
AB19: J32.19 U1.41 U2.41 U3.41 U4.41 U11.95 U15.15 U35.6
AB20: J32.20 U11.96 U15.14 U35.8
AB21: U11.97 U15.13 U35.9
AB22: U11.98 U15.12 U35.11
AB23: U11.99 U15.11 U35.12
AB24: U11.101 U16.18 U35.13
AB25: U11.102 U16.17 U35.14
AB26: U11.104 U16.16 U35.16
AB27: U11.105 U16.15 U35.17
AB28: U11.106 U16.14 U35.19
AB29: U11.144 U16.13 U35.20
AB30: U11.143 U16.12 U35.22
AB31: U11.142 U16.11 U35.23
ADS: J33.4 U23.9 U25.S17
ADT_EN: U11.107 U12.110 U13.19 U14.19 U15.19 U16.19
AEN: J7.42 J20.42 J21.42 J22.42 U42.4
AHOLD: J10.7 U25.A17
AP_INC: U11.61 U42.15 U43.13
BA0: U12.39 U33.122
BA1: U12.41 U33.39
BALE: J7.28 J20.28 J21.28 J22.28 U7.12
BCLK0: U22.3 U25.C3
BCLK1: U22.8 U31.11 U41.2 U42.11 U43.2 U46.2
BE0: J31.7 U5.13 U23.2 U25.K15
BE1: J31.8 U5.10 U23.3 U25.J16
BE2: J31.9 U5.5 U23.4 U25.J15
BE3: J31.10 U5.2 U23.5 U25.F17
BLAST: U25.R16 U27.3
BOFF: R19.1 U25.D17
BRDY: J33.12 U11.21 U25.H15
BREQ: U25.Q15 U27.2
BS8: J9.2 J33.10 U11.19 U12.3 U25.D16
BS16: J9.4 J33.11 U11.20 U12.4 U25.C17
CACHE: J10.8 U25.B12
CDONE_PROG: D4.2 U11.65
CDONE_PROG2: D2.2 U12.65
CH_RDY: J7.41 J20.41 J21.41 J22.41 U27.7
CK0: U11.37 U12.93 U33.42
CK2: U12.94 U33.79
cpu_vcc: C21.2 C22.2 C23.2 C24.2 C25.2 C26.2 C27.2 C28.2 C29.1 C30.1 C31.1 C32.1 C33.1 C34.1 C35.1 C36.1 C37.1 C38.1 J9.14 J10.14 J11.1 J12.2 R22.1 R23.1 R24.1 R25.1 R28.2 R57.1 U25.B7 U25.B9 U25.B11 U25.C4 U25.C5 U25.E2 U25.E16 U25.G2 U25.G16 U25.H16 U25.K2 U25.K16 U25.L16 U25.M2 U25.M16 U25.P16 U25.R3 U25.R6 U25.R8 U25.R9 U25.R10 U25.R11 U25.R14
cpu_vcc_in: C92.1 C93.1 J12.3 R49.1 U40.2
CRAP_SHIFT: U12.78 U41.9
CRESET: J16.2 J18.2 U11.66 U12.66
D00: U17.2 U25.P1
D01: U17.3 U25.N2
D02: U17.4 U25.N1
D03: U17.5 U25.H2
D04: U17.6 U25.M3
D05: U17.7 U25.J2
D06: U17.8 U25.L2
D07: U17.9 U25.L3
D08: U18.2 U25.F2
D09: U18.3 U25.D1
D10: U18.4 U25.E3
D11: U18.5 U25.C1
D12: U18.6 U25.G3
D13: U18.7 U25.D2
D14: U18.8 U25.K3
D15: U18.9 U25.F3
D16: U19.2 U25.J3
D17: U19.3 U25.D3
D18: U19.4 U25.C2
D19: U19.5 U25.B1
D20: U19.6 U25.A1
D21: U19.7 U25.B2
D22: U19.8 U25.A2
D23: U19.9 U25.A4
D24: U20.2 U25.A6
D25: U20.3 U25.B6
D26: U20.4 U25.C7
D27: U20.5 U25.C6
D28: U20.6 U25.C8
D29: U20.7 U25.A8
D30: U20.8 U25.C9
D31: U20.9 U25.B8
D/C: J33.2 U23.7 U25.M15
DACK0: J7.70 J20.70 J21.70 J22.70
DACK1: J7.17 J20.17 J21.17 J22.17 U42.1
DACK2: J7.26 J20.26 J21.26 J22.26 U42.2
DACK3: J7.15 J20.15 J21.15 J22.15 U42.3
DACK5: J7.72 J20.72 J21.72 J22.72 U42.5
DACK6: J7.74 J20.74 J21.74 J22.74 U42.6
DACK7: J7.76 J20.76 J21.76 J22.76 U42.7
DACK_CLK: U12.75 U31.12 U42.12
DACK_SERIAL: U12.76 U42.14
DB00: J30.1 U1.9 U12.107 U17.18 U33.2 U49.3
DB01: J30.2 U1.10 U12.106 U17.17 U33.3 U49.4
DB02: J30.3 U1.13 U12.105 U17.16 U33.4 U49.7
DB03: J30.4 U1.14 U12.104 U17.15 U33.5 U49.8
DB04: J30.5 U1.31 U12.102 U17.14 U33.7 U49.13
DB05: J30.6 U1.32 U12.101 U17.13 U33.8 U49.14
DB06: J30.7 U1.35 U12.99 U17.12 U33.9 U49.17
DB07: J30.8 U1.36 U12.98 U17.11 U33.10 U49.18
DB08: J30.9 U2.9 U12.144 U18.18 U33.11 U48.3
DB09: J30.10 U2.10 U12.143 U18.17 U33.13 U48.4
DB10: J30.11 U2.13 U12.142 U18.16 U33.14 U48.7
DB11: J30.12 U2.14 U12.141 U18.15 U33.15 U48.8
DB12: J30.13 U2.31 U12.139 U18.14 U33.16 U48.13
DB13: J30.14 U2.32 U12.138 U18.13 U33.17 U48.14
DB14: J30.15 U2.35 U12.137 U18.12 U33.19 U48.17
DB15: J30.16 U2.36 U12.136 U18.11 U33.20 U48.18
DB16: J30.17 U3.9 U12.135 U19.18 U33.55 U39.3
DB17: J30.18 U3.10 U12.134 U19.17 U33.56 U39.4
DB18: J30.19 U3.13 U12.128 U19.16 U33.57 U39.7
DB19: J30.20 U3.14 U12.125 U19.15 U33.58 U39.8
DB20: J30.21 U3.31 U12.124 U19.14 U33.60 U39.13
DB21: J30.22 U3.32 U12.122 U19.13 U33.65 U39.14
DB22: J30.23 U3.35 U12.121 U19.12 U33.66 U39.17
DB23: J30.24 U3.36 U12.120 U19.11 U33.67 U39.18
DB24: J30.25 U4.9 U12.119 U20.18 U33.69 U38.3
DB25: J30.26 U4.10 U12.118 U20.17 U33.70 U38.4
